# Altium PCB PCB1.PcbDoc (part 1 of 3) (continued)
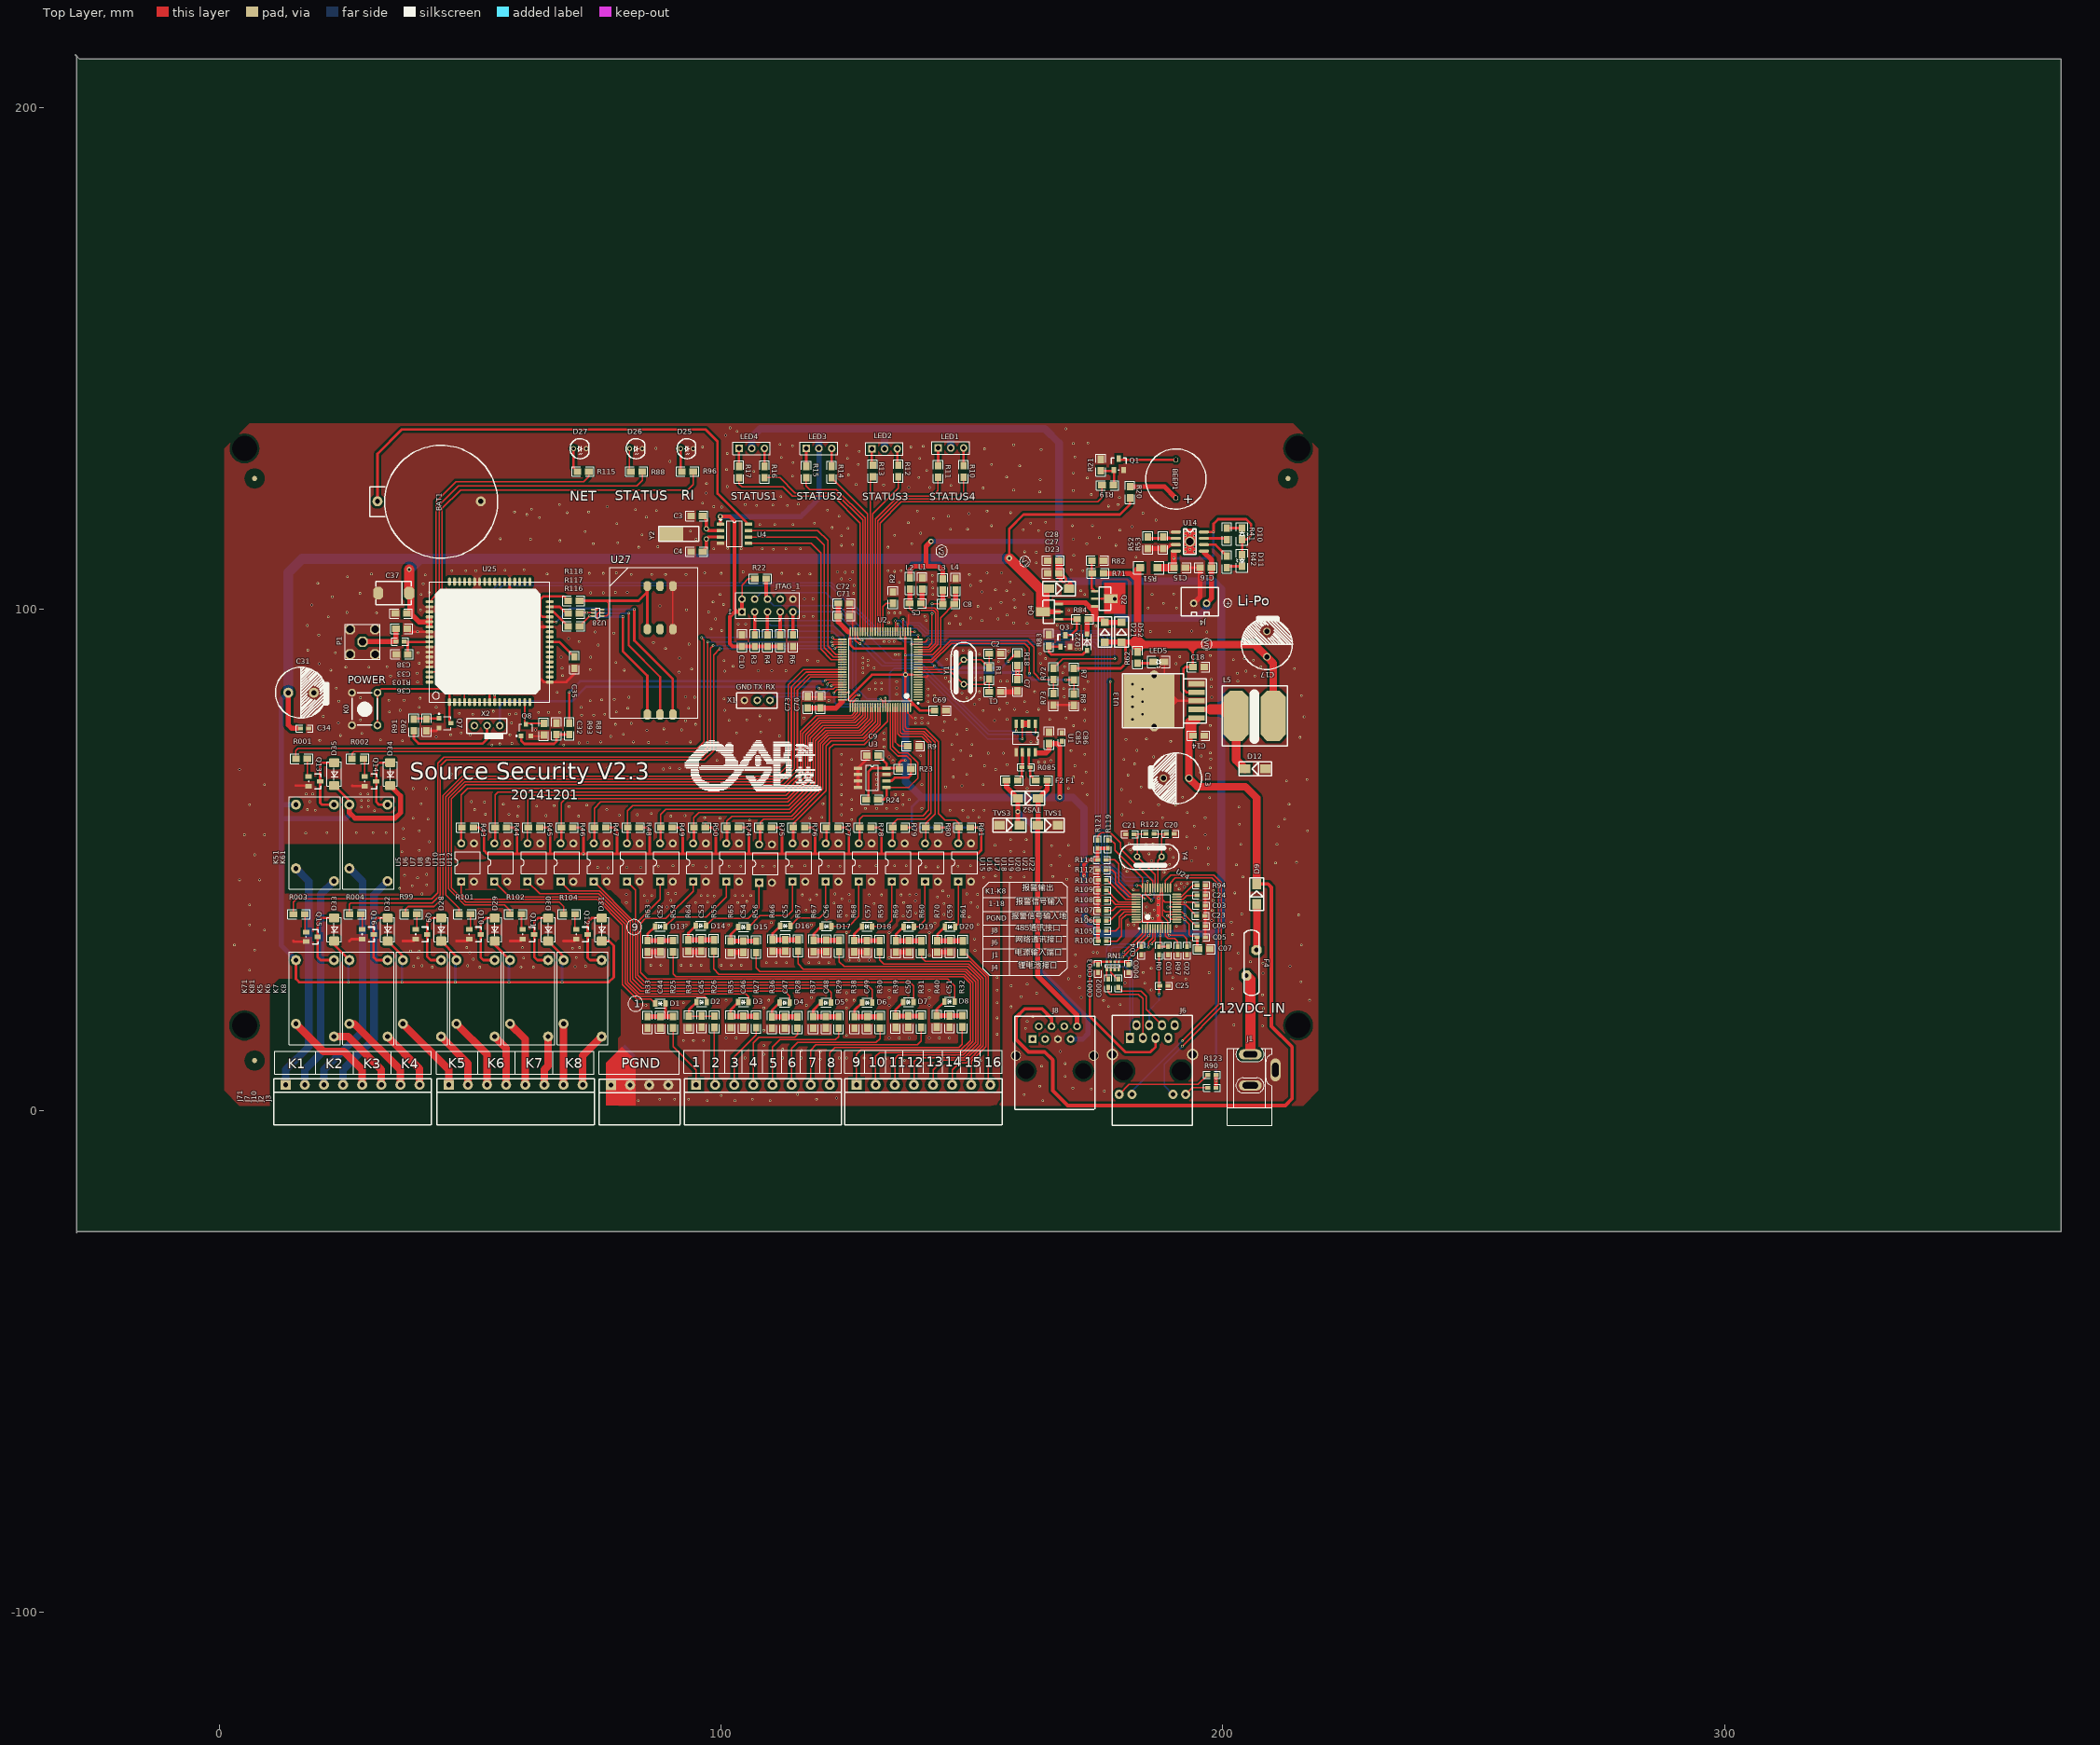
[diagram p0: Top Layer view]
## Components (designator, comment, footprint, x,y, rotation, side; value= is the part's Value field where it differs from the comment) (continued)
R41 "1K" 0805 200.806,113.824 r90 top locked
R42 "1K" 0805 200.806,108.236 r90 top locked
R43 "4.7K" 0805 48.342,56.428 r0 top locked
R44 "4.7K" 0805 54.946,56.428 r0 top locked
R45 "4.7K" 0805 61.55,56.428 r0 top locked
R46 "4.7K" 0805 68.154,56.428 r0 top locked
R47 "4.7K" 0805 74.758,56.428 r0 top locked
R48 "4.7K" 0805 81.362,56.428 r0 top locked
R49 "4.7K" 0805 87.966,56.428 r0 top locked
R50 "4.7K" 0805 94.57,56.428 r0 top locked
R51 "0.4" 1206 183.534,108.236 r0 top locked
R52 "2.7K" 0805 185.058,114.332 r270 top locked
R53 "2.7K" 0805 188.106,114.332 r270 top locked
R54 "4.7K" 0805 90.406,31.62 r90 top locked
R55 "4.7K" 0805 98.554,31.768 r90 top locked
R56 "4.7K" 0805 106.983,31.52 r90 top locked
R57 "4.7K" 0805 115.337,31.749 r90 top locked
R58 "4.7K" 0805 123.53,31.668 r90 top locked
R59 "4.7K" 0805 131.614,31.62 r90 top locked
R60 "4.7K" 0805 139.926,31.576 r90 top locked
R61 "4.7K" 0805 148.182,31.576 r90 top locked
R62 "1K" 0805 183.026,91.472 r270 top locked
R63 "10K" 0805 85.326,31.62 r90 top locked
R64 "10K" 0805 93.474,31.768 r90 top locked
R65 "10K" 0805 101.903,31.52 r90 top locked
R66 "10K" 0805 110.257,31.749 r90 top locked
R67 "10K" 0805 118.45,31.668 r90 top locked
R68 "10K" 0805 126.534,31.62 r90 top locked
R69 "10K" 0805 134.846,31.576 r90 top locked
R70 "10K" 0805 143.102,31.576 r90 top locked
R71 "100" 0805 173.966,107.098 r0 top locked
R72 "10K" 0805 166.253,85.924 r90 top locked
R73 "10K" 0805 166.253,80.844 r90 top locked
R74 "4.7K" 0805 101.174,56.428 r0 top locked
R75 "4.7K" 0805 107.778,56.428 r0 top locked
R76 "4.7K" 0805 114.382,56.428 r0 top locked
R77 "4.7K" 0805 120.986,56.428 r0 top locked
R78 "4.7K" 0805 127.59,56.428 r0 top locked
R79 "4.7K" 0805 134.194,56.428 r0 top locked
R80 "4.7K" 0805 140.798,56.428 r0 top locked
R81 "4.7K" 0805 147.402,56.428 r0 top locked
R82 "4.7K" 0805 176.182,109.638 r180 top locked
R83 "4.7K" 0805 165.33,94.906 r270 top locked
R84 "4.7K" 0805 170.918,97.954 r0 top locked
R085 "120R" 0603 161.584,68.488 r180 top locked
R87 "4.7K" 0805 69.726,77.248 r270 top locked
R88 "1K" 0805 82.002,127.384 r0 top locked
R90 "270" 0603 198.628,4.572 r180 top
R91 "4.7K" 0805 38.738,75.724 r90 top locked
R92 "10K" 0805 41.278,75.724 r90 top locked
R93 "10K" 0805 67.186,77.248 r270 top locked
R94 "10K" 0603 194.902,44.92 r0 top locked
R96 "1K" 0805 92.162,127.384 r0 top locked
R97 "12.4K" 0603 191,31.1 r90 top locked
R99 "1K" 0805 37.084,39.148 r0 top locked
R100 "10K" 0603 175.146,33.8 r0 top locked
R101 "1K" 0805 47.752,39.148 r0 top locked
R102 "1K" 0805 57.912,39.148 r0 top locked
R103 "0R" 0603 35.182,93.504 r0 top locked
R104 "1K" 0805 68.58,39.148 r0 top locked
R105 "10K" 0603 175.146,35.832 r0 top locked
R106 "10K" 0603 175.146,37.864 r0 top locked
R107 "10K" 0603 175.146,39.896 r0 top locked
R108 "10K" 0603 175.146,41.928 r0 top locked
R109 "10K" 0603 175.146,43.96 r0 top locked
R110 "10K" 0603 175.146,45.992 r0 top locked
R112 "10K" 0603 175.09,47.968 r0 top locked
R114 "10K" 0603 175.09,50 r0 top locked
R115 "1K" 0805 71.334,127.384 r0 top locked
R116 "22" 0805 71.758,96.552 r180 top locked
R117 "22" 0805 71.758,99.092 r180 top locked
R118 "22" 0805 71.758,101.632 r180 top locked
R119 "10K" 0603 177.072,52.304 r90 top locked
R121 "10K" 0603 175.04,52.304 r90 top locked
R122 "1M" 0603 186.28,55.18 r180 top locked
R123 "270" 0603 198.646,7.112 r180 top
RN1 "51R" 0603-4 179.676,29.664 r180 top locked
TVS1 "TVS" SMB 163.068,56.896 r0 top locked
TVS2 "TVS" SMB 159.148,62.252 r0 top locked
TVS3 "TVS" SMB 155.448,56.896 r0 top locked
U1 "SP3485" SOP-8#1 162.6,77.124 r270 top locked
U2 "STM32F103VET6" LQFP100_N 131.718,87.916 r180 top locked
U3 "24C02" SOP-8#1 127.274,68.27 r0 top locked
U4 "DS1302" SOP-8#2 102.642,114.972 r0 top locked
U5 "PC817" DIP4 48.194,45.648 r90 top locked
U6 "PC817" DIP4 54.798,45.648 r90 top locked
U7 "PC817" DIP4 61.402,45.648 r90 top locked
U8 "PC817" DIP4 68.006,45.648 r90 top locked
U9 "PC817" DIP4 74.61,45.648 r90 top locked
U10 "PC817" DIP4 81.214,45.648 r90 top locked
U11 "PC817" DIP4 87.818,45.648 r90 top locked
U12 "PC817" DIP4 94.422,45.648 r90 top locked
U13 "LM2596S_5.0" TO-263-5 194.778,78.288 r0 top locked
U14 "TP4056" SO8E 190.646,115.348 r0 top locked
U15 "PC817" DIP4 101.026,45.648 r90 top locked
U16 "PC817" DIP4 107.578,45.436 r90 top locked
U17 "PC817" DIP4 114.234,45.648 r90 top locked
U18 "PC817" DIP4 120.838,45.648 r90 top locked
U19 "PC817" DIP4 127.442,45.648 r90 top locked
U20 "PC817" DIP4 134.046,45.648 r90 top locked
U21 "PC817" DIP4 140.65,45.648 r90 top locked
U22 "PC817" DIP4 147.254,45.648 r90 top locked
U24 "W5500" LQFP48_N 186.774,40.348 r90 top locked
U25 "SIM900" SIM-900 65.858,81.432 r90 top locked
U27 "SIM" sim-6p 87.833,78.969 r0 top locked
U28 "SMF05" SC70-6L 76.33,98.584 r180 top locked
X1 "2.54-TX" 2.54-TX 103.124,80.264 r0 top locked
X2 "2.54-TX" 2.54-TX 49.276,75.216 r0 top locked
Y1 "8MHz" XTAL_US 148.355,84.995 r90 top locked
Y2 "32.768KHz" cs-308 95.53,113.448 r180 top locked
Y4 "25MHz" XTAL_US 187.814,50.608 r180 top locked

## Footprints (in the part's own frame and the unit in brackets; to place one, negate y for a bottom-side part, rotate by r counter-clockwise, add the part's x,y. Pads: shape width x height; smd on the part's side, far side on the other; paste and mask are expansions set on the pad)
2.54 [mm]
  round 1.5 hole 0.9: 1(5.08,2.54) 2(2.54,2.54)
  silkscreen extent 0,0 7.5,5.7
2.54-TX [mm]
  round 1.5 hole 0.9: 1(6.604,1.524) 2(4.064,1.524) 3(1.524,1.524)
  silkscreen extent 0,0 8,3
3.81-4P-W [mm]
  rect 2x2 hole 1: 1(2.345,-1.2)
  round 2 hole 1: 2(6.155,-1.2) 3(9.965,-1.2) 4(13.775,-1.2)
  silkscreen extent 0,-9.15 16.12,0
3.81-8P-W [mm]
  rect 2x2 hole 1: 1(0,0)
  round 2 hole 1: 2(3.81,0) 3(7.62,0) 4(11.43,0) 5(15.24,0) 6(19.05,0) 7(22.86,0) 8(26.67,0)
  silkscreen extent -2.34,-7.99 29.02,1.2
0603 [mil]
  rect 40x30 smd: 1(0,0) 2(65,0)
  silkscreen extent -33,-28 98,28
0603-4 [mm]
  rect 0.5x0.5 smd: 1(0.4,0) 2(0.4,1.6) 3(1.2,0) 4(1.2,1.6) 5(2,0) 6(2,1.6) 7(2.8,0) 8(2.8,1.6)
  silkscreen extent 0.1,0.5 3.1,1.1
0805 [mil]
  rect 60x50 smd: 1(0,0) 2(90,0)
  silkscreen extent -42,-37 132,37
0805-LED [mil]
  rrect25% 35x52 smd: 1(-40,0) 2(40,0)
  silkscreen extent -40,-35 40,35, body extent -40,-25 40,24, height 43
1206 [mil]
  rect 60x60 smd: 1(0,0) 2(135,0)
  silkscreen extent -50,-50 185,50
7343 [mm]
  oct 2x2.5 smd: 1(-0.1,0) 2(6.1,0)
  silkscreen extent -0.5,-2.3 6.5,2.3
BEEP-12 [mm]
  round 1 hole 0.8: 1(0,0) 2(7.6,0)
  silkscreen extent -2.2,-6 9.8,6
CR2032 [mm]
  round 2 hole 1: 1(0,0) 2(0,-20.6)
  silkscreen extent -11.32,-23.95 11.18,1.52
cs-308 [mm]
  round 1 hole 0.6: 1(-1.524,-0.508) 2(-1.524,-2.54)
  rect 5x3 smd: 3(5.588,-1.524)
  silkscreen extent 0,-3 8,0
DC10B [mil]
  oval 80x180 hole 50 slot 110 at 90 deg: 1(419.09,170)
  oval 80x180 hole 50 slot 120 at 90 deg: 2(175,170)
  oval 180x80 hole 50 slot 110 at 0 deg: 3(297.05,-26.85)
  silkscreen extent -138,0 465,350
DIP4 [mm]
  rect 1.6x1.6 hole 0.9: 1(0,0)
  round 1.6 hole 0.9: 2(0,-2.54) 3(7.62,-2.54) 4(7.62,0)
  silkscreen extent 1.64,-3.81 5.99,1.27
DO-214AC(SMA) [mil]
  rrect25% 70x80 smd: 1(-90,0) 2(90,0)
  silkscreen extent -95,-55 95,55, body extent -108,-55 108,55, height 91
FUSE-RL60-110 [mm]
  oct 2x2 hole 0.9: 1(0,0) 2(5.1,-2)
  silkscreen extent -3.97,-2.5 9.07,0.5
HDR1X3 [mm]
  rect 1.5x1.5 hole 0.9: 1(0,0)
  round 1.5 hole 0.9: 2(2.54,0) 3(5.08,0)
  silkscreen extent -1.27,-1.27 6.25,1.27
HR911105A [mil]
  rect 80x62 hole 40: 1(0,0)
  oval 80x62 hole 40: 2(-100,50) 3(0,100) 4(-100,150) 5(0,200) 6(-100,250) 7(0,300) 8(-100,350)
  round 72 hole 36: 9(442.91,-85.63) 10(442.91,14) 11(442.91,335.87) 12(442.91,436)
  round 90 hole 65: 13(129.92,-139.76) 14(129.92,490.16)
  round 0 hole 149.61: ""(259.84,401.58) ""(259.84,-51.18)
  silkscreen extent -179,-140 687,490
INDUCTOR-1212 [mm]
  oct 5x10 smd: 1(2.8,6) 2(10.2,6)
  silkscreen extent 0,0 13,12
JTAG_10 [mm]
  rect 1.5x1.5 hole 0.9: 1(0,0)
  round 1.5 hole 0.9: 2(0,2.54) 3(2.54,0) 4(2.54,2.54) 5(5.08,0) 6(5.08,2.54) 7(7.62,0) 8(7.62,2.54) 9(10.16,0) 10(10.16,2.54)
  silkscreen extent -1.27,-1.78 11.43,3.81
KEY_M [mil]
  round 62 hole 38: 1(0,0) 1(255.91,0) 2(0,-200) 2(255.91,-200)
  silkscreen extent 0,-200 255,0
LED-0805 [mil]
  rect 60x50 smd: 1(0,0) 2(90,0)
  silkscreen extent -43,-46 134,45
LED-DIP [mm]
  round 1 hole 0.6: 1(-0.25,0) 2(2.29,0)
  silkscreen extent -0.95,-2 2.78,2
LQFP48_N [mm] "Thin QFP, 48-Leads, Body 7x7mm, Pitch 0.5mm, IPC Medium Density"
  oval 1.8x0.3 smd: 1(-4.05,2.75) 2(-4.05,2.25) 3(-4.05,1.75) 4(-4.05,1.25) 5(-4.05,0.75) 6(-4.05,0.25) 7(-4.05,-0.25) 8(-4.05,-0.75) 9(-4.05,-1.25) 10(-4.05,-1.75) 11(-4.05,-2.25) 12(-4.05,-2.75) 25(4.05,-2.75) 26(4.05,-2.25) 27(4.05,-1.75) 28(4.05,-1.25) 29(4.05,-0.75) 30(4.05,-0.25) 31(4.05,0.25) 32(4.05,0.75) 33(4.05,1.25) 34(4.05,1.75) 35(4.05,2.25) 36(4.05,2.75)
  oval 0.3x1.8 smd: 13(-2.75,-4.05) 14(-2.25,-4.05) 15(-1.75,-4.05) 16(-1.25,-4.05) 17(-0.75,-4.05) 18(-0.25,-4.05) 19(0.25,-4.05) 20(0.75,-4.05) 21(1.25,-4.05) 22(1.75,-4.05) 23(2.25,-4.05) 24(2.75,-4.05) 37(2.75,4.05) 38(2.25,4.05) 39(1.75,4.05) 40(1.25,4.05) 41(0.75,4.05) 42(0.25,4.05) 43(-0.25,4.05) 44(-0.75,4.05) 45(-1.25,4.05) 46(-1.75,4.05) 47(-2.25,4.05) 48(-2.75,4.05)
  silkscreen extent -4.17,-2.75 2.75,3.57, body extent -3.5,-3.5 3.5,3.5, height 1.6
LQFP100_N [mm] "Thin QFP, 100-Leads, Body 14x14mm, Pitch 0.5mm, IPC Medium Density"
  oval 1.8x0.3 smd: 1(-7.55,6) 2(-7.55,5.5) 3(-7.55,5) 4(-7.55,4.5) 5(-7.55,4) 6(-7.55,3.5) 7(-7.55,3) 8(-7.55,2.5) 9(-7.55,2) 10(-7.55,1.5) 11(-7.55,1) 12(-7.55,0.5) 13(-7.55,0) 14(-7.55,-0.5) 15(-7.55,-1) 16(-7.55,-1.5) 17(-7.55,-2) 18(-7.55,-2.5) 19(-7.55,-3) 20(-7.55,-3.5) 21(-7.55,-4) 22(-7.55,-4.5) 23(-7.55,-5) 24(-7.55,-5.5) 25(-7.55,-6) 51(7.55,-6) 52(7.55,-5.5) 53(7.55,-5) 54(7.55,-4.5) 55(7.55,-4) 56(7.55,-3.5) 57(7.55,-3) 58(7.55,-2.5) 59(7.55,-2) 60(7.55,-1.5) 61(7.55,-1) 62(7.55,-0.5) 63(7.55,0) 64(7.55,0.5) 65(7.55,1) 66(7.55,1.5) 67(7.55,2) 68(7.55,2.5) 69(7.55,3) 70(7.55,3.5) 71(7.55,4) 72(7.55,4.5) 73(7.55,5) 74(7.55,5.5) 75(7.55,6)
  oval 0.3x1.8 smd: 26(-6,-7.55) 27(-5.5,-7.55) 28(-5,-7.55) 29(-4.5,-7.55) 30(-4,-7.55) 31(-3.5,-7.55) 32(-3,-7.55) 33(-2.5,-7.55) 34(-2,-7.55) 35(-1.5,-7.55) 36(-1,-7.55) 37(-0.5,-7.55) 38(0,-7.55) 39(0.5,-7.55) 40(1,-7.55) 41(1.5,-7.55) 42(2,-7.55) 43(2.5,-7.55) 44(3,-7.55) 45(3.5,-7.55) 46(4,-7.55) 47(4.5,-7.55) 48(5,-7.55) 49(5.5,-7.55) 50(6,-7.55) 76(6,7.55) 77(5.5,7.55) 78(5,7.55) 79(4.5,7.55) 80(4,7.55) 81(3.5,7.55) 82(3,7.55) 83(2.5,7.55) 84(2,7.55) 85(1.5,7.55) 86(1,7.55) 87(0.5,7.55) 88(0,7.55) 89(-0.5,7.55) 90(-1,7.55) 91(-1.5,7.55) 92(-2,7.55) 93(-2.5,7.55) 94(-3,7.55) 95(-3.5,7.55) 96(-4,7.55) 97(-4.5,7.55) 98(-5,7.55) 99(-5.5,7.55) 100(-6,7.55)
  silkscreen extent -7.68,-6.25 6.25,6.82, body extent -7,-7 7,7, height 1.6
RB5.0-10#1 [mm]
  round 1.5 hole 1.016: 1(0,0) 2(-5.08,0)
  silkscreen extent -7.84,-5.08 2.54,5.11
RB5.0-10#2 [mm]
  round 2 hole 1.016: 1(0,0) 2(-5.08,0)
  silkscreen extent -7.84,-5.08 2.54,5.11
RELAY-SONGCHUAN [mm]
  round 2 hole 1: 1(12.7,0) 2(15.24,7.6) 3(0,7.6) 4(0,0)
  silkscreen extent -1.6,-1.3 16.84,8.9
RJ45-1 [mil]
  rect 60x60 hole 35: 1(0,0)
  round 60 hole 35: 2(-50,-100) 3(-100,0) 4(-150,-100) 5(-200,0) 6(-250,-100) 7(-300,0) 8(-350,-100)
  round 78.74 hole 64.96: 9(129.92,130) 10(-480.31,130)
  oct 0x0 hole 125.98: ""(-400,250) ""(50,250)
  silkscreen extent -490,-180 140,553
SC70-6L [mm]
  oct 0.85x0.4 smd: 1(0,0) 2(0,-0.65) 3(0,-1.3) 4(1.829,-1.3) 5(1.829,-0.65) 6(1.829,0)
  silkscreen extent 0.51,-1.64 1.32,0.36
sim-6p [mm]
  oct 1.5x2 smd: 1(-2.54,17) 1(-2.54,25.6) 2(0,17) 2(0,25.6) 3(2.54,17) 3(2.54,25.6) 4(-2.54,0) 5(0,0) 6(2.54,0)
  silkscreen extent -10,-0.7 7.5,29.3
SIM-900 [mm]
  oct 1.6x0.6 smd: 1(0,20) 2(0,19) 3(0,18) 4(0,17) 5(0,16) 6(0,15) 7(0,14) 8(0,13) 9(0,12) 10(0,11) 11(0,10) 12(0,9) 13(0,8) 14(0,7) 15(0,6) 16(0,5) 17(0,4) 35(24,4) 36(24,5) 37(24,6) 38(24,7) 39(24,8) 40(24,9) 41(24,10) 42(24,11) 43(24,12) 44(24,13) 45(24,14) 46(24,15) 47(24,16) 48(24,17) 49(24,18) 50(24,19) 51(24,20)
  oct 0.6x1.6 smd: 18(4,0) 19(5,0) 20(6,0) 21(7,0) 22(8,0) 23(9,0) 24(10,0) 25(11,0) 26(12,0) 27(13,0) 28(14,0) 29(15,0) 30(16,0) 31(17,0) 32(18,0) 33(19,0) 34(20,0) 52(20,24) 53(19,24) 54(18,24) 55(17,24) 56(16,24) 57(15,24) 58(14,24) 59(13,24) 60(12,24) 61(11,24) 62(10,24) 63(9,24) 64(8,24) 65(7,24) 66(6,24) 67(5,24) 68(4,24)
  silkscreen extent 0,0 24,24
SMA(DO-214AC) [mm]
  rect 1.5x1.6 smd: 1(0,0) 2(3.95,0)
  silkscreen extent -1,-1.38 5,1.37
SMB [mm]
  rect 2.1x1.7 smd: 1(0,0) 2(4.05,0)
  silkscreen extent -1.25,-1.4 5.3,1.4
SO8E [mil]
  oval 80x24 smd: 1(0,0) 2(0,-50) 3(0,-100) 4(0,-150) 5(220,-150) 6(220,-100) 7(220,-50) 8(220,0)
  round 78.74 hole 59.05: 9(110,-75)
  silkscreen extent 60,-175 160,25
sod-123 [mil]
  rrect25% 40x35 smd: 1(-64,0) 2(64,0)
  silkscreen extent -62,-33 62,34, body extent -76,-33 76,34, height 56
SOP-8#1 [mil]
  rect 65x25 smd: 1(0,0) 2(0,-50) 3(0,-100) 4(0,-150) 5(224.41,-150) 6(224.41,-100) 7(224.41,-50) 8(224.41,0)
  silkscreen extent 65,-175 159,25
SOP-8#2 [mil]
  rrect25% 60x25 smd: 1(-110,75) 2(-110,25) 3(-110,-25) 4(-110,-75) 5(110,-75) 6(110,-25) 7(110,25) 8(110,75)
  silkscreen extent -125,-99 62,114, body extent -118,-98 118,99, height 69
SOT-23 [mil]
  rect 36x50 smd: 1(0,0) 2(75,0) 3(37.5,90)
  silkscreen extent -20,0 95,95
SOT-23R [mm]
  rect 0.9x0.95 smd: 1(0.95,-1.048) 2(-0.95,-1.048) 3(0,1.302)
  silkscreen extent -1.98,-1.17 1.3,1.3
SOT-89 [mm]
  rect 0.52x1.5 smd: 1(0,0) 2(1.5,0) 3(3,0)
  rect 1.8x2.7 smd: 4(1.5,3.2)
  silkscreen extent -0.8,0.9 3.8,3.25
ST-TH1 [mm]
  oct 2x2 hole 1.5: 1(3.5,3.5) 2(1,6) 3(6,6) 4(6,1) 5(1,1)
  silkscreen extent 0,0 7,7
TO-263-5 [mm]
  rect 3.176x1.07 smd: 1(0,0) 2(0,1.7) 3(0,3.4) 4(0,5.1) 5(0,6.8)
  round 2 hole 1.016: 6(-8.45,-1.695) 8(-8.45,8.465)
  rect 10.16x10.668 smd: 7(-9.5,3.404)
  silkscreen extent -14.73,-2 1.98,8.8
XTAL_US [mil]
  round 50 hole 28: 1(0,0) 2(192.13,0)
  silkscreen extent -136,-98 328,98

## Part data
BAT1: library part BAT
C01 C02 C03 C003 C04 C004 C05 C5 C06 C8 C13 C15 C16 C17 C24 C25 C27 C28 C31 C35 C37 C44 C45 C46 C47 C48 C49 C50 C51 C52 C53 C54 C55 C56 C57 C58 C59 C69 C70 C71 C72 C73 C85 C86: library part CAP
C1 C2 C7 C9 C10: library part CAP, "陶瓷电容"
C001 C002 C3 C4 C14 C18 C20 C21 C32 C33 C34 C36 C38: library part C
C07 C23: library part CAP, "0.1uF"
D1 D2 D3 D4 D5 D6 D7 D8 D13 D14 D15 D16 D17 D18 D19 D20 D26 LED5: library part LED-RED, "红色LED"
D9: library part 1N5824(SS54), "肖特基二极管"
D10 D11: library part LED
D12 D21 D23 D52: library part DIODE
D22: library part 1N5824(SS54), "3V稳压管"
D25: library part LED-RED, "绿色LED"
D27: library part LED-RED, "黄色LED"
D28 D29 D30 D31 D32 D33 D34 D35: "1A整流二极管"
F1 F2: "SMD0805P010TS"
F4: "RL60-110"
J1: library part POW
J2 J3 J7 J71: "端子"
J4: library part SIP2A-2.50（带槽）
J10: library part SIP4A-2.50(带槽)
K5 K6 K7 K8 K51 K61 K71 K81: library part JDQ_307, "继电器"
L1 L2 L3 L4 L5: library part INDUCTOR
LED1 LED2 LED3 LED4: "Header, 3-Pin"
P1: "SMA-J-P-H-ST-TH1"
Q1 Q3 Q9 Q10 Q11 Q12 Q13 Q14 Q15 Q16: library part NPN1
Q2 Q4: library part "MOSFET P_1"
Q7 Q8: library part NPN, "8050/BCW846/BCW847"
R0 R2 R9 R20 R41 R42 R51 R52 R53 R88 R90 R94 R97 R100 R105 R106 R107 R108 R109 R110 R112 R114 R115 R116 R117 R118 R119 R121 R122 R123: library part RES1
R1 R3 R4 R5 R6 R18 R22 R23 R24 R085: library part RES-1%, "高精度电阻"
R001 R002 R003 R004 R7 R8 R10 R11 R12 R13 R14 R15 R16 R17 R25 R26 R27 R28 R29 R30 R31 R32 R33 R34 R35 R36 R37 R38 R39 R40 R43 R44 R45 R46 R47 R48 R49 R50 R54 R55 R56 R57 R58 R59 R60 R61 R62 R63 R64 R65 R66 R67 R68 R69 R70 R72 R73 R74 R75 R76 R77 R78 R79 R80 R81 R87 R91 R92 R93 R96 R99 R101 R102 R103 R104: library part Res
R19 R21: library part R
R71 R82 R83 R84: library part RESISTOR, "Resistor"
RN1: library part RESPACK
TVS1 TVS2 TVS3: "SMBJ12CA"
U1: library part MAX3485
U2: "STM32 ARM-based 32-bit MCU with 64 Kbytes Flash, 100-pin LQFP, Industrial Temperature"
U3: library part 24C256
U4: "实时时钟"
U5 U6 U7 U8 U9 U10 U11 U12 U15 U16 U17 U18 U19 U20 U21 U22: library part TLP521, "光耦"
U13: "3A开关电源芯片"
U24: "以太网"
U27: "手机SIM卡"
Y1 Y2 Y4: library part XTAL, "Crystal Oscillator"

## Free pads (board coordinates)
  round 1 smd mask+1: 0(7,10) 0(7,126) 0(213,126)
  round 1 hole 0.7: 0(178.45,102)
  round 0.5 hole 0.3: 0(192.55,115.5) 1(194.35,115.5) 2(194.35,114.6) 3(192.55,114.6) 4(192.55,112.4) 5(194.35,112.4) 6(194.35,111.4) 7(192.55,111.4) 8(193.45,111.9) 9(193.45,115.1)
  round 0 hole 6: 1(4.95,-112.8) 1(214.95,-112.1)
  round 0 hole 5: 2(5,17) 3(215,17) 4(5,132) 5(215,132)
  round 1 hole 0.5: 6(182,85) 7(182,78) 8(182,80.5) 9(182,82.5) 10(184,84) 11(184,81.5) 12(184,79)

## Via types
v1: diameter 0.5, hole 0.3, Top Layer to Bottom Layer, tented both sides, 1079 vias
v2: diameter 1, hole 0.5, Top Layer to Bottom Layer, tented both sides, 6 vias
v3: diameter 0.7, hole 0.5, Top Layer to Bottom Layer, tented both sides, 2 vias
v4: diameter 1.2, hole 0.5, Top Layer to Bottom Layer, tented both sides, 1 vias
v5: diameter 0.7, hole 0.3, Top Layer to Bottom Layer, tented both sides, 1 vias

## Nets (pads, with @x,y where several pads share a name; then routed paths per layer and width w, separated by ;. In a path a pad name is that pad's centre, name@x,y a point inside that pad or via, vN(x,y) a via of type N, cw(c..) or ccw(c..) an arc to the next point about the centre after c; other vN are vias at no path point)
485_A: F2.2 J8.7 TVS2.1 TVS3.2 | length 63.9
  Top Layer w1: F2.2@156.862,65.808 156.862,64.538 TVS2.1@159.148,62.252 v2(159.148,59.6) 159.148,57.246 TVS3.2@159.498,56.896
  Bottom Layer w1: v2(159.148,59.6) 163.1,55.648 163.1,28.4 173.1,18.4 173.1,15.3 172.056,14.256 J8.7@169.672,14.256
485_B: F1.2 J8.8 TVS1.1 TVS2.2 | length 53.1
  Top Layer w1: F1.2@164.99,65.808 164.99,64.044 TVS2.2@163.198,62.252 163.198,57.026 TVS1.1@163.068,56.896 163.068,26.932 170.942,19.058 J8.8@170.942,16.796
AD_IN1: R7.1 R8.2 U2.16 | length 41.8
  Top Layer w0.254: U2.16@139.268,89.416 142.141,89.416 145.873,93.148 160.51,93.148 161.45,92.209 v1(161.45,87.2) ; R8.2@170.313,83.07 R7.1@170.313,85.864
  Top Layer w0.5: v1(168.714,85.864) R7.1@170.313,85.864
  Bottom Layer w0.5: v1(161.45,87.2) 161.45,86.45 162.036,85.864 v1(168.714,85.864)
AD_IN2: R72.1 R73.2 U2.17 | length 37.6
  Top Layer w0.254: U2.17@139.268,89.916 141.916,89.916 145.707,93.707 161.018,93.707 ; 161.009,93.716 161.018,93.707 ; R73.2@166.253,83.13 R72.1@166.253,85.924 163.676,85.924 162.327,87.273 162.327,92.398 161.018,93.707
BEEP: R19.1 U2.38 | length 70.4
  Top Layer w0.254: U2.38@131.718,95.466 131.718,117.132 135.918,121.332 175.05,121.332 175.914,122.196 R19.1@175.914,124.644
BOOT0: R9.1 U2.94 | length 9.7
  Top Layer w0.3: U2.94@134.718,80.366 134.718,73.482 135.524,72.676 R9.1@137.16,72.676
BOOT1: R2.1 U2.37 | length 8.6
  Top Layer w0.254: 132.218,96.747 U2.37@132.218,95.466 132.218,100.468 132.874,101.124 R2.1@134.258,101.124
CPU_IN1: R43.1 U2.78 U5.4 | length 100.4
  Top Layer w0.254: R43.1@48.194,56.576 48.194,62.894 49.5,64.2 112.5,64.2 115.8,67.5 115.8,75.6 118.95,78.75 125.981,78.75 126.718,79.487 U2.78@126.718,80.366
  Top Layer w0.5: U5.4@48.194,53.268 R43.1@48.194,56.28
CPU_IN2: R44.1 U2.79 U6.4 | length 94.4
  Top Layer w0.254: R44.1@54.946,56.428 54.946,62.946 55.5,63.5 112.7,63.5 116.3,67.1 116.3,75.2 119.4,78.3 126.166,78.3 127.218,79.352 U2.79@127.218,80.366
  Top Layer w0.5: U6.4@54.946,53.416 R44.1@54.946,56.428
CPU_IN3: R45.1 U2.80 U7.4 | length 88.2
  Top Layer w0.254: U7.4@61.402,53.268 R45.1@61.402,56.28 ; R45.1@61.55,56.28 R45.1@61.55,56.428 61.5,56.378 61.5,61.9 62.4,62.8 112.9,62.8 116.8,66.7 116.8,74.9 119.7,77.8 126.428,77.8 127.718,79.09 U2.80@127.718,80.366
CPU_IN4: R46.1 U2.81 U8.4 | length 81.6
  Top Layer w0.254: R46.1@68.154,56.428 68.154,61.354 69,62.2 113.2,62.2 117.3,66.3 117.3,74.6 120,77.3 126.69,77.3 128.218,78.828 U2.81@128.218,80.366
  Top Layer w0.5: U8.4@68.154,53.416 R46.1@68.154,56.428
CPU_IN5: R47.1 U2.82 U9.4 | length 75.1
  Top Layer w0.254: R47.1@74.758,56.428 74.758,60.258 76,61.5 113.3,61.5 117.8,66 117.8,74.3 120.3,76.8 126.977,76.8 128.718,78.541 U2.82@128.718,80.366
  Top Layer w0.5: U9.4@74.758,53.416 R47.1@74.758,56.428
CPU_IN6: R48.1 U2.83 U10.4 | length 68.9
  Top Layer w0.254: R48.1@81.362,56.428 81.362,59.762 82.4,60.8 113.5,60.8 118.3,65.6 118.3,74 120.6,76.3 127.239,76.3 129.218,78.279 U2.83@129.218,80.366
  Top Layer w0.5: U10.4@81.362,53.416 R48.1@81.362,56.428
CPU_IN7: R49.1 U2.84 U11.4 | length 62.5
  Top Layer w0.254: R49.1@87.966,56.428 87.966,59.066 89,60.1 113.6,60.1 118.8,65.3 118.8,73.7 120.9,75.8 127.476,75.8 129.718,78.042 U2.84@129.718,80.366
  Top Layer w0.5: U11.4@87.966,53.416 R49.1@87.966,56.428
CPU_IN8: R50.1 U2.85 U12.4 | length 56.2
  Top Layer w0.254: R50.1@94.57,56.428 94.57,58.4 95.57,59.4 113.8,59.4 119.3,64.9 119.3,73.4 121.2,75.3 127.738,75.3 130.218,77.78 U2.85@130.218,80.366
  Top Layer w0.5: U12.4@94.57,53.416 R50.1@94.57,56.428
CPU_IN9: R74.1 U2.86 U15.4 | length 51.8
  Top Layer w0.254: R74.1@101.072,56.53 R74.1@101.174,56.428 101.174,57.7 102.174,58.7 114,58.7 116.1,60.8 ; 114.9,59.6 116.1,60.8 ; U2.86@130.718,80.366 130.718,77.493 128.025,74.8 121.4,74.8 119.8,73.2 119.8,64.5 116.1,60.8
  Top Layer w0.5: U15.4@101.174,53.416 R74.1@101.174,56.428
CPU_IN10: R75.1 U2.87 U16.4 | length 44.3
  Top Layer w0.254: R75.1@107.778,56.578 R75.1@107.778,56.428 107.778,57.478 108.45,58.15 114.35,58.15 120.3,64.1 120.3,72.9 121.7,74.3 128.338,74.3 131.218,77.18 U2.87@131.218,80.366
  Top Layer w0.5: U16.4@107.778,53.256 R75.1@107.778,56.428
CPU_IN11: R76.1 U2.88 U17.4 | length 38
  Top Layer w0.254: R76.1@114.382,56.428 114.382,57.3 120.9,63.818 120.9,72.7 121.9,73.7 128.449,73.7 131.718,76.969 U2.88@131.718,80.366
  Top Layer w0.5: U17.4@114.382,53.416 R76.1@114.382,56.428
CPU_IN12: R77.1 U2.91 U18.4 | length 35.6
  Top Layer w0.254: R77.1@120.986,56.428 121.6,57.042 121.6,72.2 122.4,73 128.562,73 133.218,77.656 U2.91@133.218,80.366
  Top Layer w0.5: U18.4@120.986,53.416 R77.1@120.986,56.428
CPU_IN13: R78.1 U2.95 U19.4 | length 44.9
  Top Layer w0.254: R78.1@127.59,56.428 127.59,58.09 128.3,58.8 140.2,58.8 141.345,59.945 141.345,73.26 140.049,74.556 135.782,74.556 135.218,75.12 U2.95@135.218,80.366
  Top Layer w0.5: U19.4@127.442,53.268 127.59,53.416 R78.1@127.59,56.428
CPU_IN14: R79.1 U2.96 U20.4 | length 38.6
  Top Layer w0.254: R79.1@134.194,56.428 134.194,57.2 135.094,58.1 140.6,58.1 141.853,59.353 141.853,73.471 140.26,75.064 136.061,75.064 135.718,75.407 U2.96@135.718,80.366
  Top Layer w0.5: U20.4@134.046,53.268 134.194,53.416 R79.1@134.194,56.428
CPU_IN15: R80.1 U2.97 U21.4 | length 32.8
  Top Layer w0.254: U2.97@136.218,80.366 136.218,75.999 136.646,75.572 140.47,75.572 142.621,73.421 142.621,59.121 140.798,57.298 R80.1@140.798,56.428 140.798,53.416 U21.4@140.65,53.268
CPU_IN16: R81.1 U2.98 U22.4 | length 35.7
  Top Layer w0.254: U2.98@136.718,80.366 136.718,76.464 137.027,76.156 140.659,76.156 143.307,73.507 143.307,59.193 144.584,57.916 146.784,57.916 147.402,57.298 R81.1@147.402,56.428 R81.1@146.919,56.911
  Top Layer w0.5: U22.4@147.254,53.268 147.402,53.416 R81.1@147.402,56.428
CPU_JDQ1: R99.1 U2.63 | length 130.5
  Top Layer w0.3: R99.1@37.084,39.148 37.084,40.184 37.6,40.7 42.8,40.7 44.538,42.438 44.538,62.789 48.411,66.662 111.162,66.662 112.3,67.8 ; 111.4,66.9 112.3,67.8 ; U2.63@124.168,87.916 116.416,87.916 113.4,84.9 113.4,68.9 112.3,67.8
CPU_JDQ2: R101.1 U2.64 | length 123.3
  Top Layer w0.3: R101.1@47.752,39.148 47.752,40.348 45.092,43.008 45.092,62.559 48.641,66.108 111.608,66.108 114,68.5 114,84.5 116.916,87.416 U2.64@124.168,87.416
CPU_JDQ3: R102.1 U2.65 | length 130.9
  Top Layer w0.3: R102.1@57.912,39.148 57.912,39.888 56.793,41.007 48.859,41.007 45.646,44.22 45.646,62.33 48.87,65.554 111.954,65.554 114.6,68.2 114.6,84.1 117.416,86.916 U2.65@124.168,86.916
CPU_JDQ4: R104.1 U2.66 | length 140.6
  Top Layer w0.3: R104.1@68.58,39.148 68.58,40.72 67.739,41.561 49.088,41.561 46.2,44.449 46.2,62.1 49.1,65 112.4,65 115.2,67.8 115.2,83.8 117.816,86.416 U2.66@124.168,86.416
CPU_JDQ5: R001.1 U2.51 | length 132.9
  Top Layer w0.254: R001.1@15.24,70.136 15.24,71.74 15.7,72.2 95.3,72.2 96.6,73.5 96.6,93.8 v1(96.1,94.3) ; v1(122.2,94.3) 122.584,93.916 U2.51@124.168,93.916
  Bottom Layer w0.254: v1(96.1,94.3) v1(122.2,94.3)
CPU_JDQ6: R002.1 U2.52 | length 120.3
  Top Layer w0.254: R002.1@26.416,70.136 26.416,71.208 26.808,71.6 96.4,71.6 97.316,72.516 v1(97.316,93.416) ; v1(122.016,93.416) U2.52@124.168,93.416
  Bottom Layer w0.254: v1(97.316,93.416) v1(122.016,93.416)
CPU_JDQ7: R003.1 U2.53 | length 160
  Top Layer w0.254: R003.1@14.732,39.148 14.732,41.532 15.4,42.2 42.3,42.2 43.499,43.399 43.499,69.299 44.7,70.5 96.2,70.5 97.9,72.2 97.9,92.2 v1(98.4,92.7) ; v1(122.2,92.7) 122.416,92.916 U2.53@124.168,92.916
  Bottom Layer w0.254: v1(98.4,92.7) v1(122.2,92.7)
CPU_JDQ8: R004.1 U2.54 | length 147.7
  Top Layer w0.254: R004.1@25.908,39.148 25.908,41.108 26.2,41.4 42.4,41.4 44.007,43.007 44.007,68.707 45.2,69.9 96.6,69.9 98.5,71.8 98.5,90.838 v1(99.731,92.069) ; v1(122.7,92.1) 123.016,92.416 U2.54@124.168,92.416
  Bottom Layer w0.254: v1(99.731,92.069) 122.669,92.069 v1(122.7,92.1)
DS_IO: U2.58 U4.6 | length 40.6
  Top Layer w0.254: U4.6@105.436,114.337 118.945,114.337 120.55,112.732 120.55,92.3 122.434,90.416 U2.58@124.168,90.416
DS_RST: U2.59 U4.5 | length 39.6
  Top Layer w0.254: U4.5@105.467,113.036 U4.5@105.436,113.067 117.95,113.067 119.882,111.135 119.882,92 121.966,89.916 U2.59@124.168,89.916
DS_SCLK: U2.57 U4.7 | length 41.3
  Top Layer w0.254: U4.7@105.436,115.607 119.275,115.607 121.25,113.632 121.25,92.566 122.9,90.916 U2.57@124.168,90.916